# KiCad board maslab.kicad_pcb (continued)
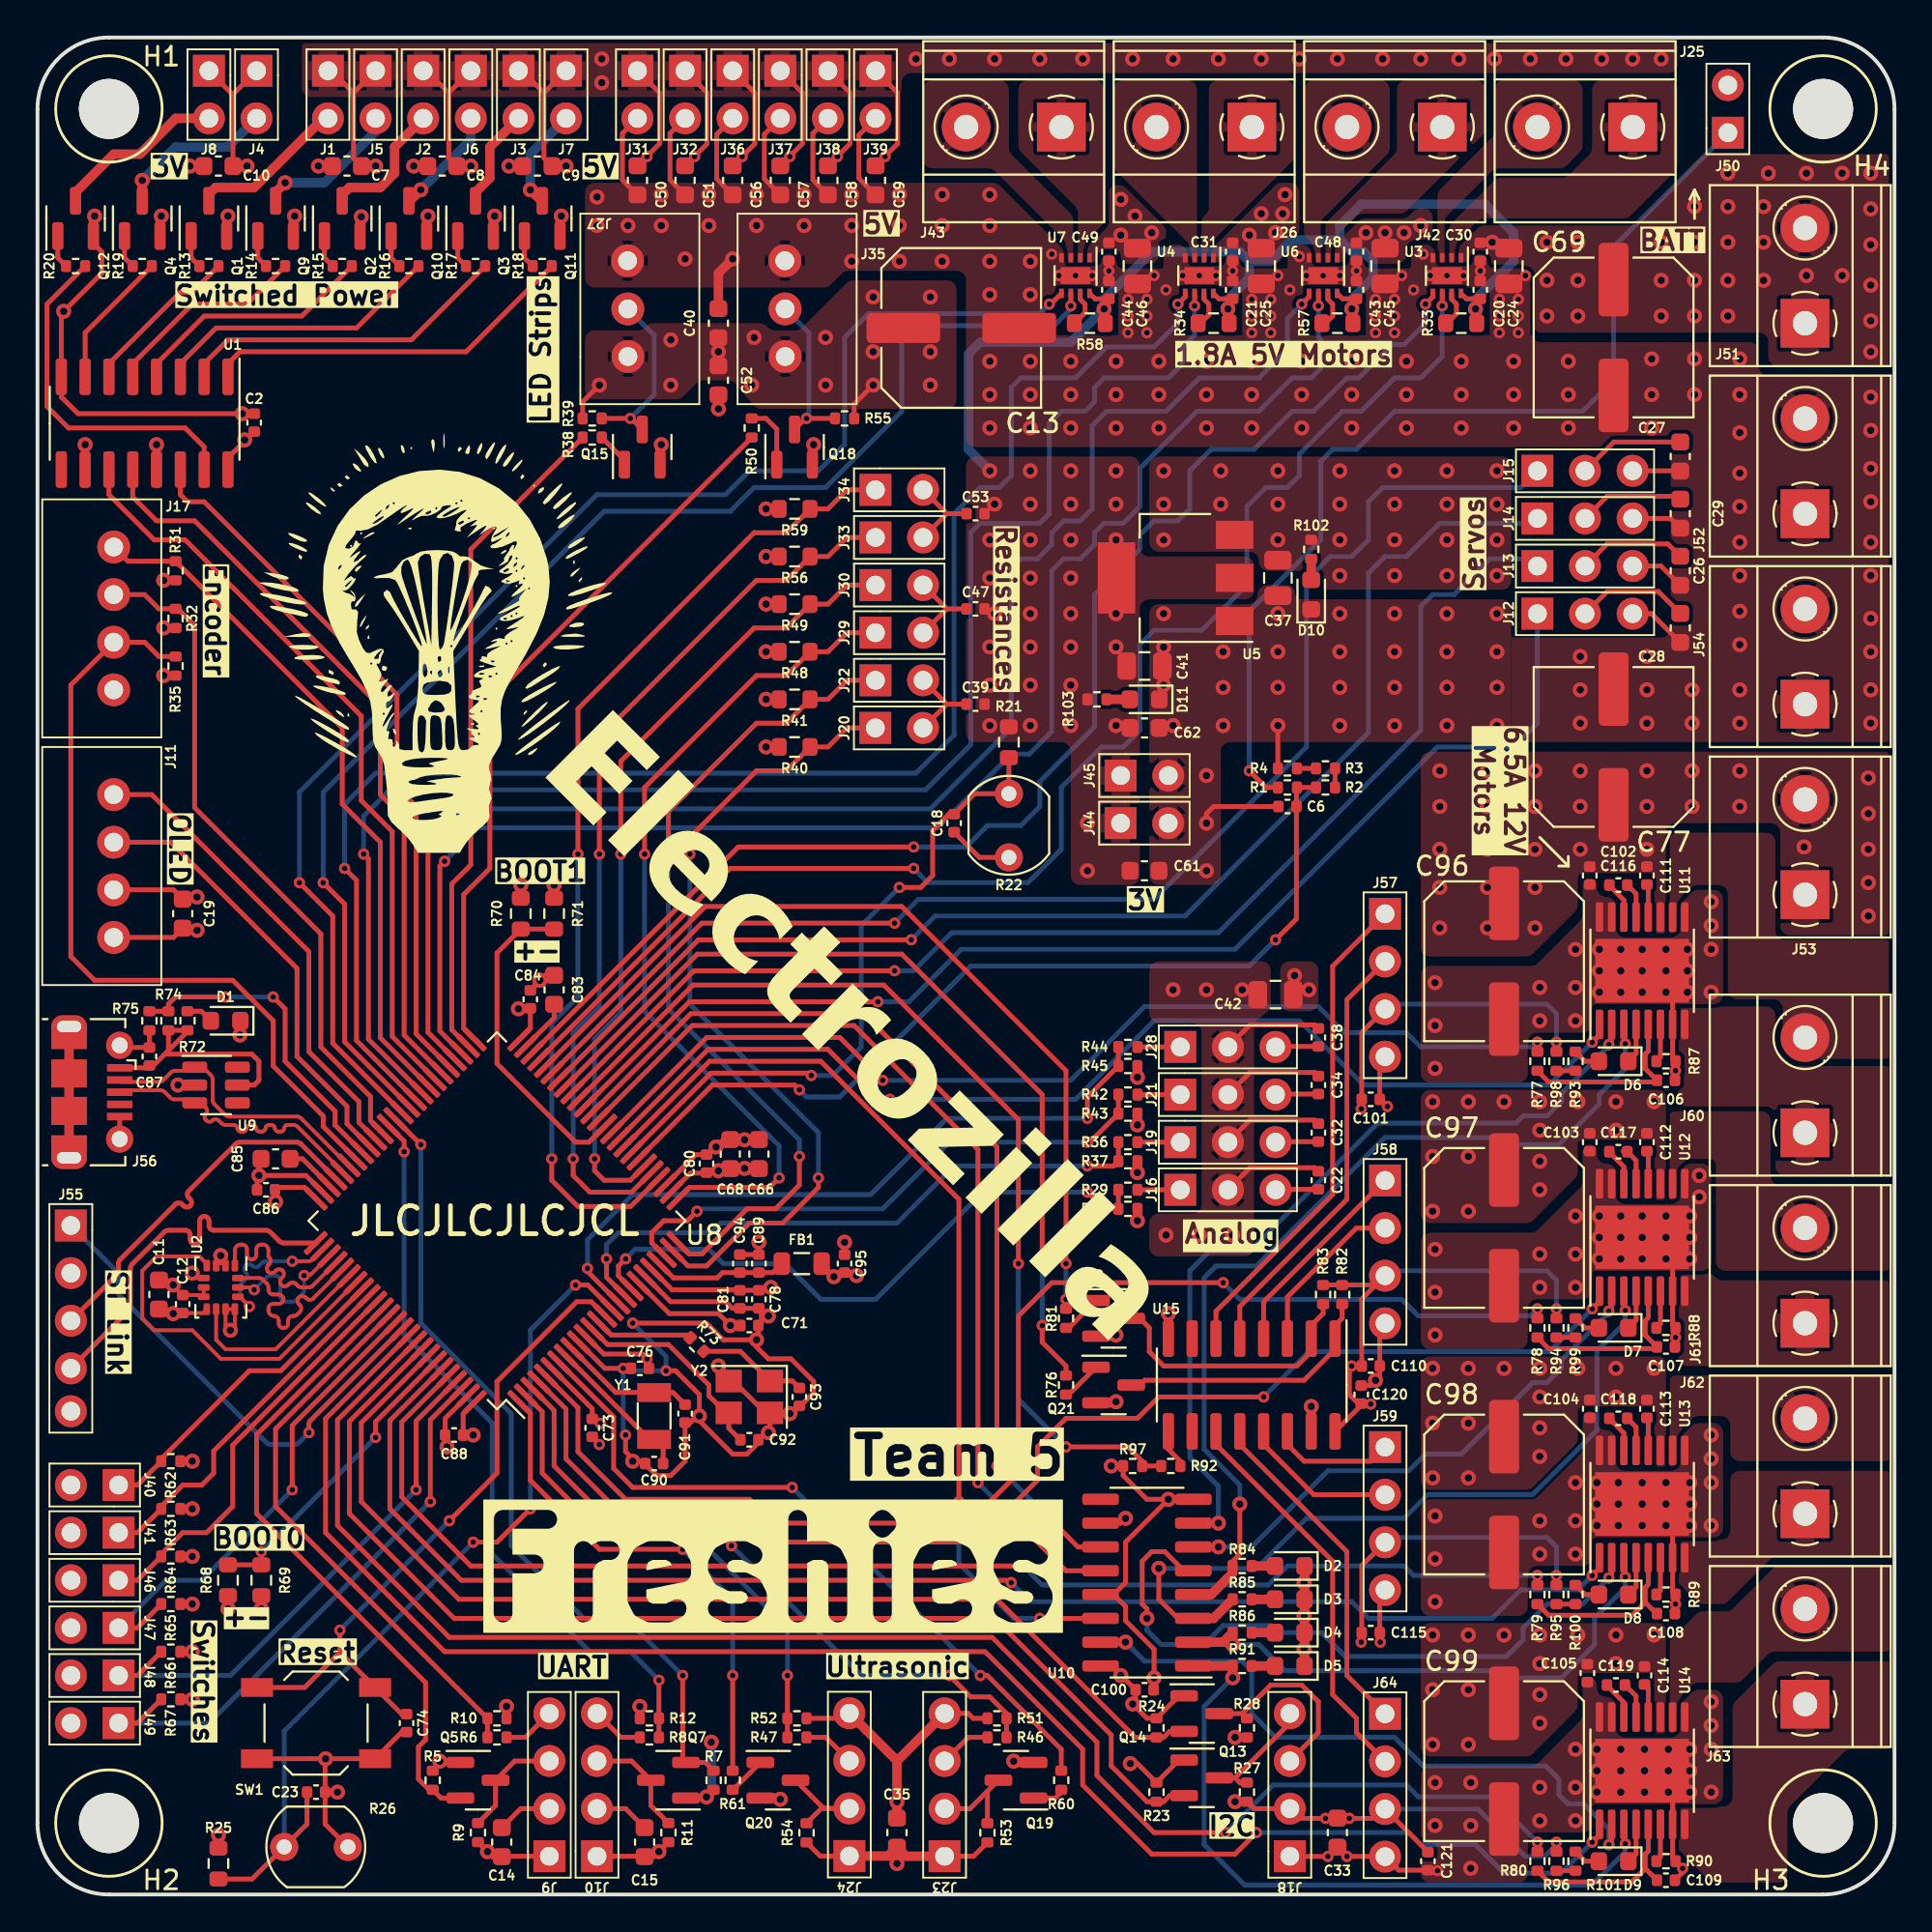
[diagram p0: board, top side]
## Library data of the parts
C2 C6-C15 C18-C35 C37-C53 C56-C59 C61 C62 C66 C68 C69 C71 C73 C74 C76-C78 C80 C81 C83-C98 C100-C104 C106-C121 = -: Description: Unpolarized capacitor
C99 = -: Description: Unpolarized capacitor; LCSC: C178539
C105 = -: Description: Unpolarized capacitor; LCSC: C307331
D1-D11 = -: Description: Light emitting diode
FB1 = -: Description: Ferrite bead
H1-H4 = -: Description: Mounting Hole without connection
J1-J8 J20 J22 J29-J34 J36-J41 J44-J50 = -: Description: Generic connector, single row, 01x02, script generated
J9-J11 J17 J18 J23 J24 J57-J59 J64 = -: Description: Generic connector, single row, 01x04, script generated
J12-J16 J19 J21 J27 J28 J35 = -: Description: Generic connector, single row, 01x03, script generated
J25 J26 J42 J43 J51-J54 J60-J63 = -: Description: Generic screw terminal, single row, 01x02, script generated (kicad-library-utils/schlib/autogen/connector/)
J55 = -: Description: Generic connector, single row, 01x05, script generated
J56 = -: Description: USB Micro Type B connector
Q1-Q5 Q7 Q9-Q15 Q18-Q22 = -: Description: 30V Vds, 5.7A Id, N-Channel MOSFET, SOT-23
R1-R21 R23-R25 R27-R103 = -: Description: Resistor
R22 R26 = -: Description: Photoresistor
SW1 = -: Description: Push button switch, generic, two pins
U1 U10 = -: Description: 8-bit serial in/out Shift Register 3-State Outputs
U2 = -: Description: 6-Axis MEMS IMU
U3 U4 U6 U7 = -: Description: H-Bridge driver, 1.8A, Low Voltage, PWM input, WSON-8
U5 = -: Description: 1A Low Dropout regulator, positive, 3.3V fixed output, SOT-223
U8 = -: Description: STMicroelectronics Arm Cortex-M4 MCU, 512KB flash, 192KB RAM, 168 MHz, 1.8-3.6V, 82 GPIO, LQFP100
U9 = -: Description: ESD Protection Diodes with Low Clamping Voltage, SOT-23-6
U11-U14 = -: Description: H-Bridge Motor Driver
U15 = -: Description: Shift Register, 8-bit, Parallel Load; LCSC: C5613
Y1 = -: Description: Two pin crystal
Y2 = -: Description: Four pin crystal, GND on pins 2 and 4

## Footprints (pads in the part's own frame, mm; a bottom-side part is the same pattern mirrored in y, then rotated)
C_0402_1005Metric
  rrect 0.56x0.62 smd: 1(-0.48,0) 2(0.48,0)
C_0603_1608Metric
  rrect 0.9x0.95 smd: 1(-0.775,0) 2(0.775,0)
C_0805_2012Metric
  rrect 1x1.45 smd: 1(-0.95,0) 2(0.95,0)
C_Elec_8x6.2
  rrect 3.925x1.6 smd: 1(-3.087,0) 2(3.087,0)
Conn_Header_P2-2.54
  rect 1.7x1.7 hole 1: 1(0,0)
  oval 1.7x1.7 hole 1: 2(0,-2.54)
Conn_Header_P3-2.54
  rect 1.7x1.7 hole 1: 1(0,0)
  oval 1.7x1.7 hole 1: 2(0,-2.54) 3(0,-5.08)
Conn_Header_P4-2.54
  rect 1.7x1.7 hole 1: 1(0,0)
  oval 1.7x1.7 hole 1: 2(0,-2.54) 3(0,-5.08) 4(0,-7.62)
Conn_Header_P5-2.54
  rect 1.7x1.7 hole 1: 1(0,0)
  oval 1.7x1.7 hole 1: 2(0,-2.54) 3(0,-5.08) 4(0,-7.62) 5(0,-9.906)
Conn_JST_P3-2.54
  round 1.75 hole 1: 1(-2.54,0) 2(0,0.006) 3(2.57,0.021)
Conn_JST_P4-2.54mm
  round 1.75 hole 1: 1(-3.81,0) 2(-1.27,0) 3(1.27,0) 4(3.81,0)
Conn_Screw_P2-5.08
  rect 2.6x2.6 hole 1.3: 1(0,0)
  round 2.6 hole 1.3: 2(5.08,0)
Crystal_SMD_3215-2Pin_3.2x1.5mm
  rect 1x1.8 smd: 1(1.25,0) 2(-1.25,0)
Crystal_SMD_3225-4Pin_3.2x2.5mm
  rect 1.4x1.2 smd: 1(-1.1,-0.85) 2(1.1,-0.85) 3(1.1,0.85) 4(-1.1,0.85)
HTSSOP-16-1EP_4.4x5mm_P0.65mm_EP3.4x5mm_Mask2.46x2.31mm
  rrect 1.98x0.93 smd: (0,0.58) (0,-0.58)
  rect 2.46x2.31 smd: (0,0)
  rrect 1.575x0.4 smd: 1(-2.862,2.275) 2(-2.862,1.625) 3(-2.862,0.975) 4(-2.862,0.325) 5(-2.862,-0.325) 6(-2.862,-0.975) 7(-2.862,-1.625) 8(-2.862,-2.275) 9(2.862,-2.275) 10(2.862,-1.625) 11(2.862,-0.975) 12(2.862,-0.325) 13(2.862,0.325) 14(2.862,0.975) 15(2.862,1.625) 16(2.862,2.275)
  rect 3.4x5 smd: 17(0,0)
L_0805_2012Metric
  rrect 0.875x1.2 smd: 1(-1.062,0) 2(1.062,0)
LED_0603_1608Metric
  rrect 0.875x0.95 smd: 1(-0.787,0) 2(0.787,0)
LGA-14_3x2.5mm_P0.5mm_LayoutBorder3x4y
  rrect 0.625x0.35 smd: 1(-1.163,0.75) 2(-1.163,0.25) 3(-1.163,-0.25) 4(-1.163,-0.75) 8(1.163,-0.75) 9(1.163,-0.25) 10(1.163,0.25) 11(1.163,0.75)
  rrect 0.35x0.625 smd: 5(-0.5,-0.912) 6(0,-0.912) 7(0.5,-0.912) 12(0.5,0.912) 13(0,0.912) 14(-0.5,0.912)
LQFP-100_14x14mm_P0.5mm
  rrect 1.6x0.3 smd: 1(-7.675,6) 2(-7.675,5.5) 3(-7.675,5) 4(-7.675,4.5) 5(-7.675,4) 6(-7.675,3.5) 7(-7.675,3) 8(-7.675,2.5) 9(-7.675,2) 10(-7.675,1.5) 11(-7.675,1) 12(-7.675,0.5) 13(-7.675,0) 14(-7.675,-0.5) 15(-7.675,-1) 16(-7.675,-1.5) 17(-7.675,-2) 18(-7.675,-2.5) 19(-7.675,-3) 20(-7.675,-3.5) 21(-7.675,-4) 22(-7.675,-4.5) 23(-7.675,-5) 24(-7.675,-5.5) 25(-7.675,-6) 51(7.675,-6) 52(7.675,-5.5) 53(7.675,-5) 54(7.675,-4.5) 55(7.675,-4) 56(7.675,-3.5) 57(7.675,-3) 58(7.675,-2.5) 59(7.675,-2) 60(7.675,-1.5) 61(7.675,-1) 62(7.675,-0.5) 63(7.675,0) 64(7.675,0.5) 65(7.675,1) 66(7.675,1.5) 67(7.675,2) 68(7.675,2.5) 69(7.675,3) 70(7.675,3.5) 71(7.675,4) 72(7.675,4.5) 73(7.675,5) 74(7.675,5.5) 75(7.675,6)
  rrect 0.3x1.6 smd: 26(-6,-7.675) 27(-5.5,-7.675) 28(-5,-7.675) 29(-4.5,-7.675) 30(-4,-7.675) 31(-3.5,-7.675) 32(-3,-7.675) 33(-2.5,-7.675) 34(-2,-7.675) 35(-1.5,-7.675) 36(-1,-7.675) 37(-0.5,-7.675) 38(0,-7.675) 39(0.5,-7.675) 40(1,-7.675) 41(1.5,-7.675) 42(2,-7.675) 43(2.5,-7.675) 44(3,-7.675) 45(3.5,-7.675) 46(4,-7.675) 47(4.5,-7.675) 48(5,-7.675) 49(5.5,-7.675) 50(6,-7.675) 76(6,7.675) 77(5.5,7.675) 78(5,7.675) 79(4.5,7.675) 80(4,7.675) 81(3.5,7.675) 82(3,7.675) 83(2.5,7.675) 84(2,7.675) 85(1.5,7.675) 86(1,7.675) 87(0.5,7.675) 88(0,7.675) 89(-0.5,7.675) 90(-1,7.675) 91(-1.5,7.675) 92(-2,7.675) 93(-2.5,7.675) 94(-3,7.675) 95(-3.5,7.675) 96(-4,7.675) 97(-4.5,7.675) 98(-5,7.675) 99(-5.5,7.675) 100(-6,7.675)
MountingHole_3.2mm_M3
  round 3.2 hole 3.2 unplated: (0,0)
R_0402_1005Metric
  rrect 0.54x0.64 smd: 1(-0.51,0) 2(0.51,0)
R_0603_1608Metric
  rrect 0.8x0.95 smd: 1(-0.825,0) 2(0.825,0)
R_LDR_5.1x4.3mm_P3.4mm_Vertical
  round 1.5 hole 0.8: 1(0,0) 2(3.4,0)
SOIC-16_3.9x9.9mm_P1.27mm
  rrect 1.95x0.6 smd: 1(-2.475,4.445) 2(-2.475,3.175) 3(-2.475,1.905) 4(-2.475,0.635) 5(-2.475,-0.635) 6(-2.475,-1.905) 7(-2.475,-3.175) 8(-2.475,-4.445) 9(2.475,-4.445) 10(2.475,-3.175) 11(2.475,-1.905) 12(2.475,-0.635) 13(2.475,0.635) 14(2.475,1.905) 15(2.475,3.175) 16(2.475,4.445)
SOT-23
  rrect 1.475x0.6 smd: 1(-0.938,0.95) 2(-0.938,-0.95) 3(0.938,0)
SOT-23-6
  rrect 1.325x0.6 smd: 1(-1.137,0.95) 2(-1.137,0) 3(-1.137,-0.95) 4(1.137,-0.95) 5(1.137,0) 6(1.137,0.95)
SOT-223-3_TabPin2
  rect 2x1.5 smd: 1(-3.15,2.3) 2(-3.15,0) 3(-3.15,-2.3)
  rect 2x3.8 smd: 2(3.15,0)
SW_SPST_TL3342
  rect 1.7x1 smd: 1(-3.15,1.9) 1(3.15,1.9) 2(-3.15,-1.9) 2(3.15,-1.9)
USB_Micro-B_Molex-105017-0001
  rect 0.4x1.35 smd: 1(-1.3,1.462) 2(-0.65,1.462) 3(0,1.462) 4(0.65,1.462) 5(1.3,1.462)
  oval 1.2x1.9 hole 0.6x1.3: 6(-3.5,-1.238) 6(3.5,-1.238)
  rect 1.2x1.9 smd: 6(-2.9,-1.238) 6(2.9,-1.238)
  round 1.45 hole 0.85: 6(-2.5,1.462) 6(2.5,1.462)
  rect 1.5x1.9 smd: 6(-1,-1.238) 6(1,-1.238)
WSON-8-1EP_2x2mm_P0.5mm_EP0.9x1.6mm
  rect 0.75x0.65 smd: (0,0.4) (0,-0.4)
  rect 0.5x0.25 smd: 1(-0.95,0.75) 2(-0.95,0.25) 3(-0.95,-0.25) 4(-0.95,-0.75) 5(0.95,-0.75) 6(0.95,-0.25) 7(0.95,0.25) 8(0.95,0.75)
  rect 0.9x1.6 smd: 9(0,0)

## Nets
+3.3V: C2.1 C10.1 C11.1 C12.1 C19.1 C20.1 C21.1 C39.1 C41.1 C43.1 C44.1 C47.1 C53.1 C61.1 C62.1 C66.1 C68.1 C71.1 C73.1 C76.1 C78.1 C80.1 C81.1 C84.1 C86.1 C88.1 C95.1 C100.1 FB1.2 J4.1 J8.1 J11.3 J44.1 J45.1 J55.2 Q5.1 Q7.1 Q13.1 Q14.1 R5.1 R7.1 R21.1 R23.1 R24.1 R25.1 R31.1 R32.1 R33.1 R34.1 R35.1 R40.1 R41.1 R48.1 R49.1 R56.1 R57.1 R58.1 R59.1 R62.1 R63.1 R64.1 R65.1 R66.1 R67.1 R68.1 R70.1 R103.1 U1.10 U1.16 U2.5 U2.8 U3.8 U4.8 U5.2 U6.8 U7.8 U8.6 U8.11 U8.19 U8.21 U8.28 U8.50 U8.75 U8.100 U10.10 U10.16
+3.3VA: C89.1 C94.1 FB1.1 U8.22
+5V: C7.1 C8.1 C9.1 C13.1 C14.1 C15.1 C22.1 C24.1 C25.1 C26.1 C27.1 C28.1 C29.1 C30.1 C31.1 C32.1 C33.1 C34.1 C35.1 C37.1 C38.1 C40.1 C42.1 C45.1 C46.1 C48.1 C49.1 C50.1 C51.1 C52.1 C56.1 C57.1 C58.1 C59.1 C69.1 C101.1 C110.1 C115.1 C120.1 C121.1 J1.1 J2.1 J3.1 J5.1 J6.1 J7.1 J9.1 J10.1 J12.2 J13.2 J14.2 J15.2 J16.2 J18.2 J19.2 J21.2 J23.1 J24.1 J27.1 J28.2 J31.1 J32.1 J35.1 J36.1 J37.1 J38.1 J39.1 J51.1 J51.2 J57.3 J58.3 J59.3 J64.3 R9.1 R11.1 R27.1 R28.1 R39.1 R53.2 R54.2 R55.1 R82.1 R83.1 R94.2 R95.2 R96.2 R98.2 R102.1 U3.1 U4.1 U5.3 U6.1 U7.1 U15.16
+12V: C77.1 C96.1 C97.1 C98.1 C99.1 C102.1 C103.1 C104.1 C105.1 C111.1 C112.1 C113.1 C114.1 J53.1 J53.2 U11.11 U12.11 U13.11 U14.11
/3VLED: D11.2 R103.2
/5VLED: D10.2 R102.2
GND: C2.2 C6.2 C7.2 C8.2 C9.2 C10.2 C11.2 C12.2 C13.2 C14.2 C15.2 C18.2 C19.2 C20.2 C21.2 C22.2 C23.2 C24.2 C25.2 C26.2 C27.2 C28.2 C29.2 C30.2 C31.2 C32.2 C33.2 C34.2 C35.2 C37.2 C38.2 C39.2 C40.2 C41.2 C42.2 C43.2 C44.2 C45.2 C46.2 C47.2 C48.2 C49.2 C50.2 C51.2 C52.2 C53.2 C56.2 C57.2 C58.2 C59.2 C61.2 C62.2 C66.2 C68.2 C69.2 C71.2 C73.2 C74.2 C76.2 C77.2 C78.2 C80.2 C81.2 C83.2 C84.2 C85.2 C86.2 C87.2 C88.2 C89.2 C90.1 C91.1 C92.1 C93.1 C94.2 C95.2 C96.2 C97.2 C98.2 C99.2 C100.2 C101.2 C102.2 C103.2 C104.2 C105.2 C106.2 C107.2 C108.2 C109.2 C110.2 C115.2 C120.2 C121.2 D1.1 D2.1 D3.1 D4.1 D5.1 D10.1 D11.1 J9.2 J10.2 J11.4 J12.3 J13.3 J14.3 J15.3 J16.3 J17.4 J18.1 J19.3 J20.2 J21.3 J22.2 J23.4 J24.4 J27.3 J28.3 J29.2 J30.2 J31.2 J32.2 J33.2 J34.2 J35.3 J36.2 J37.2 J38.2 J39.2 J40.2 J41.2 J44.2 J45.2 J46.2 J47.2 J48.2 J49.2 J50.2 J52.1 J52.2 J54.1 J54.2 J55.5 J56.5 J56.6 J57.4 J58.4 J59.4 J64.4 Q1.2 Q2.2 Q3.2 Q4.2 Q9.2 Q10.2 Q11.2 Q12.2 Q15.2 Q18.2 Q19.2 Q20.2 Q21.2 Q22.2 R4.2 R10.1 R12.1 R22.2 R26.2 R30.2 R37.2 R43.2 R45.2 R51.1 R52.1 R69.2 R71.2 R75.2 R87.2 R88.2 R89.2 R90.2 R97.2 SW1.2 U1.8 U1.13 U2.2 U2.3 U2.6 U2.7 U2.10 U2.11 U3.4 U3.9 U4.4 U4.9 U5.1 U6.4 U6.9 U7.4 U7.9 U8.10 U8.20 U8.27 U8.74 U8.99 U9.2 U10.8 U10.13 U11.7 U11.9 U11.15 U11.16 U11.17 U12.7 U12.9 U12.15 U12.16 U12.17 U13.7 U13.9 U13.15 U13.16 U13.17 U14.7 U14.9 U14.15 U14.16 U14.17 U15.8 U15.15 Y2.2 Y2.4
VBUS: C87.1 J56.1 R72.1 R74.1 U9.5
+BATT: J50.1 R1.1
/A1HDR: J16.1 R29.1
/A2HDR: J19.1 R36.1
/A3HDR: J21.1 R42.1
/A4HDR: J28.1 R44.1
/AIN1: R29.2 R30.1 U8.18
/AIN2: R36.2 R37.1 U8.17
/AIN3: R42.2 R43.1 U8.23
/AIN4: R44.2 R45.1 U8.16
/AMB1: C18.1 R21.2 R22.1 U8.33
/AMB2: C23.1 R25.2 R26.1 U8.15
/BOOT0: R68.2 R69.1 U8.94
/BOOT1: R70.2 R71.1 U8.37
/BREF: C6.1 R1.2 R2.1 U8.32
/BRR1: R2.2 R3.1
/BRR2: R3.2 R4.1
/DRE1: J17.1 R31.2 U8.58
/DRE2: J17.2 R32.2 U8.65
/DRESW: J17.3 R35.2 U8.69
/ECHO1: R46.1 R51.2 U8.3
/ECHO2: R47.1 R52.2 U8.2
/ENCCLK: Q22.3 R83.2 U15.2
/ENCLK: R81.1 U8.46
/ENLCLK: Q22.1 R81.2
/ENPL: R76.1 U8.43
/ENPLC: Q21.3 R82.2 U15.1
/ENPLL: Q21.1 R76.2
/ENSO: R92.1 R97.1 U8.41
/ENSOC: R92.2 U15.9
/GCS: U2.12 U8.77
/GINT1: U2.4 U8.82
/GINT2: U2.9 U8.81
/GSCLK: U2.13 U8.78
/GSDI: U2.14 U8.80
/GSDO: U2.1 U8.79
/LMCLK: U8.39 U10.11
/LMDAT: U8.34 U10.14
/LMSV: U8.38 U10.12
/M1CPH: C116.2 U11.13
/M1CPL: C116.1 U11.14
/M1CREF: R77.1 U8.36
/M1EN: U8.35 U11.1
/M1ENA: J57.2 U15.5
/M1ENB: J57.1 U15.6
/M1FLED: D6.2 R93.2
/M1IROPI: R87.1 U11.6
/M1nFLT: D6.1 U11.4
/M1nSLP: R84.1 U10.4 U11.3
/M1OUT1: J60.1 U11.8
/M1OUT2: J60.2 U11.10
/M1PH: U10.7 U11.2
/M1SLED: R93.1 R98.1
/M1SPLD: D2.2 R84.2
/M1VCP: C111.2 U11.12
/M1VREF: C106.1 R77.2 U11.5
/M2CPH: C117.2 U12.13
/M2CPL: C117.1 U12.14
/M2CREF: R78.1 U8.5
/M2EN: U8.4 U12.1
/M2ENA: J58.2 U15.3
/M2ENB: J58.1 U15.4
/M2FLED: D7.2 R99.2
/M2IROPI: R88.1 U12.6
/M2nFLT: D7.1 U12.4
/M2nSLP: R85.1 U10.3 U12.3
/M2OUT1: J61.1 U12.8
/M2OUT2: J61.2 U12.10
/M2PH: U10.6 U12.2
/M2SLED: R94.1 R99.1
/M2SPLD: D3.2 R85.2
/M2VCP: C112.2 U12.12
/M2VREF: C107.1 R78.2 U12.5
/M3CPH: C118.2 U13.13
/M3CPL: C118.1 U13.14
/M3CREF: R79.1 U8.96
/M3EN: U8.95 U13.1
/M3ENA: J59.2 U15.13
/M3ENB: J59.1 U15.14
/M3FLED: D8.2 R100.2
/M3IROPI: R89.1 U13.6
/M3nFLT: D8.1 U13.4
/M3nSLP: R86.1 U10.2 U13.3
/M3OUT1: J62.1 U13.8
/M3OUT2: J62.2 U13.10
/M3PH: U10.5 U13.2
/M3SLED: R95.1 R100.1
/M3SPLD: D4.2 R86.2
/M3VCP: C113.2 U13.12
/M3VREF: C108.1 R79.2 U13.5
/M4CPH: C119.2 U14.13
/M4CPL: C119.1 U14.14
/M4CREF: R80.1 U8.91
/M4EN: U8.90 U14.1
/M4ENA: J64.2 U15.11
/M4ENB: J64.1 U15.12
/M4FLED: D9.2 R101.2
/M4IROPI: R90.1 U14.6
/M4nFLT: D9.1 U14.4
/M4nSLP: R91.1 U10.1 U14.3
/M4OUT1: J63.1 U14.8
/M4OUT2: J63.2 U14.10
/M4PH: U10.15 U14.2
/M4SLED: R96.1 R101.1
/M4SPLD: D5.2 R91.2
/M4VCP: C114.2 U14.12
/M4VREF: C109.1 R80.2 U14.5
/M5IN1: U3.6 U8.47
/M5IN2: U3.5 U8.48
/M5nSLP: R33.2 U3.7
/M5OUT1: J25.1 U3.2
/M5OUT2: J25.2 U3.3
/M6IN1: U6.6 U8.53
/M6IN2: U6.5 U8.54
/M6nSLP: R57.2 U6.7
/M6OUT1: J42.1 U6.2
/M6OUT2: J42.2 U6.3
/M7IN1: U4.6 U8.59
/M7IN2: U4.5 U8.60
/M7nSLP: R34.2 U4.7
/M7OUT1: J26.1 U4.2
/M7OUT2: J26.2 U4.3
/M8IN1: U7.6 U8.61
/M8IN2: U7.5 U8.62
/M8nSLP: R58.2 U7.7
/M8OUT1: J43.1 U7.2
/M8OUT2: J43.2 U7.3
/NRST: C74.1 SW1.1 U8.14
/OSC32IN: C90.2 U8.8 Y1.2
/OSC32OUT: C91.2 U8.9 Y1.1
/OSCIN: C92.2 U8.12 Y2.3
/OSCLO: C93.2 R73.1 Y2.1
/OSCOUT: R73.2 U8.13
/QA: R13.1 U1.6
/QB: R14.1 U1.5
/QC: R15.1 U1.4
/QD: R16.1 U1.3
/QE: R17.1 U1.2
/QF: R18.1 U1.1
/QG: R19.1 U1.7
/QH: R20.1 U1.15
/RMSR1: J20.1 R40.2 U8.24
/RMSR2: J22.1 R41.2 U8.25
/RMSR3: J29.1 R48.2 U8.26
/RMSR4: J30.1 R49.2 U8.31
/RMSR5: J33.1 R56.2 U8.30
/RMSR6: J34.1 R59.2 U8.29
/RMSR7: J40.1 R62.2 U8.83
/RMSR8: J41.1 R63.2 U8.84
/RMSR9: J46.1 R64.2 U8.85
/RMSR10: J47.1 R65.2 U8.88
/RMSR11: J48.1 R66.2 U8.97
/RMSR12: J49.1 R67.2 U8.98
/RX1: R6.2 R10.2 U8.87
/RX1HDR: J9.4 R6.1
/RX2: R8.2 R12.2 U8.64
/RX2HDR: J10.4 R8.1
/SCL1: Q13.2 R23.2 U8.92
/SCL1HDR: J18.4 Q13.3 R27.2
/SCL2: J11.2 U8.67
/SDA1: Q14.2 R24.2 U8.93
/SDA1HDR: J18.3 Q14.3 R28.2
/SDA2: J11.1 U8.66
/SNSBUS: R74.2 R75.1 U8.68
/SRCLK: U1.11 U8.57
/SRDAT: U1.14 U8.55
/SRPDT1: R38.1 U8.52
/SRPDT2: R50.1 U8.51
/SRPM1: Q15.1 R38.2
/SRPM2: Q18.1 R50.2
/SRPP1: J27.2 Q15.3 R39.2
/SRPP2: J35.2 Q18.3 R55.2
/SRSV: U1.12 U8.56
/SRV1: J12.1 U8.40
/SRV2: J13.1 U8.42
/SRV3: J14.1 U8.44
/SRV4: J15.1 U8.45
/SWCLK: J55.4 U8.76
/SWDIO: J55.3 U8.72
/SWO: J55.1 U8.89
/SWPA: Q1.1 R13.2
/SWPB: Q9.1 R14.2
/SWPC: Q2.1 R15.2
/SWPD: Q10.1 R16.2
/SWPE: Q3.1 R17.2
/SWPF: Q11.1 R18.2
/SWPG: Q4.1 R19.2
/SWPH: Q12.1 R20.2
/TRIG1: R60.2 U8.7
/TRIG2: R61.2 U8.1
/TX1: Q5.2 R5.2 U8.86
/TX1HDR: J9.3 Q5.3 R9.2
/TX2: Q7.2 R7.2 U8.63
/TX2HDR: J10.3 Q7.3 R11.2
/USB_D+: J56.3 U8.71 U9.3
/USB_D-: J56.2 U8.70 U9.1
/UTE1: J23.3 R46.2
/UTE2: J24.3 R47.2
/UTT1: J23.2 Q19.3 R53.1
/UTT2: J24.2 Q20.3 R54.1
/UTTL1: Q19.1 R60.1
/UTTL2: Q20.1 R61.1
/VBLED: D1.2 R72.2
/VCAP1: C83.1 U8.49
/VCAP2: C85.1 U8.73
Net-(J1-Pin_2): J1.2 Q1.3
Net-(J2-Pin_2): J2.2 Q2.3
Net-(J3-Pin_2): J3.2 Q3.3
Net-(J4-Pin_2): J4.2 Q4.3
Net-(J5-Pin_2): J5.2 Q9.3
Net-(J6-Pin_2): J6.2 Q10.3
Net-(J7-Pin_2): J7.2 Q11.3
Net-(J8-Pin_2): J8.2 Q12.3

Pads without a net: J56 4; U1 9; U9 4 6; U10 9; U15 7 10

## Via types
v1: diameter 0.8, hole 0.4, Top to Bottom, 587 vias
v2: diameter 0.6, hole 0.3, Top to Bottom, 194 vias

## Routing (per net, layer and track width the routed paths; a pad name or vN(x,y) marks a point on that pad's centre or on a via; arc(x,y) is an arc through that point)
+3.3V: length 153.7
  Top w0.2: U2.5 8.52,32.88 v1(8.25,33.15) ; C11.1 6.69,31.02 7.21,31.02 v1(7.24,30.99) 7.27,31.02 C12.1 8.82,31.02 U2.8
  Top w0.254: v2(30.02,25.13) 29.79,25.37 C73.1 29.59,25.91 U8.6 ; v1(58.29,6.98) 58.68,6.98 59.69,5.97 60.89,7.17 61.17,7.17 60.98,6.98 ; R70.1 v1(25.78,53.85) ; v1(43.69,33.02) 43.53,33.17 C95.1 42.7,33.17 v1(42.48,32.96) 41.83,33.61 FB1.2 ; 10.03,15.94 10.03,15.24 ; v1(39.12,32.38) 38.96,32.23 C78.1 C81.1 37.44,32.26 33.85,32.26 U8.21 ; J8.1 10.4,96.03 10.43,96.03 ; C76.1 32.61,28.48 v2(32.51,28.57) 32.26,28.83 30.21,28.83 U8.11 ; v1(23.24,24.51) C88.1 22.7,25.65 U8.100 ; v1(6.73,67.56) 6.73,67.56 R32.1 ; R67.1 v1(8.25,10.41) ; Q14.1 60.89,10.6 R24.1 59.18,9.4 v1(58.42,10.16) 58.57,10.31 58.57,10.92 57.81,11.68 v1(57.78,11.68) 57.78,11.71 57.31,12.19 U10.16 ; Q7.1 35.63,5.15 35.69,5.2 v1(35.69,5.21) 35.69,5.21 R7.1 ; C2.1 11.12,77.6 v1(11.05,77.6) 11.05,77.53 10.16,76.64 U1.16 ; U8.28 35.11,39.47 C80.1 35.79,39.47 v1(36.19,39.88) 36.59,40.27 C68.1 37.71,40.27 v1(37.72,40.26) 37.73,40.27 C66.1 ; R35.1 6.73,65.02 v1(6.73,65.02) ; U3.8 76.23,85.12 C20.1 76.77,84.93 76.77,84.64 v1(76.71,84.58) 76.77,84.52 R33.1 ; R31.1 6.73,70.1 v1(6.73,70.1) ; v1(12.7,36.96) 12.67,36.98 C86.1 12.8,37.72 14.25,37.72 U8.75 ; v1(25.65,47.24) 25.68,47.27 C84.1 26.29,46.2 U8.50 ; R5.1 21.4,6.92 21.4,7.05 v1(21.46,7.11) 21.53,7.05 Q5.1 ; J11.3 7.25,53.59 7.75,53.1 8.39,53.1 v1(8.51,53.21) ; R34.1 63.56,84.52 v1(63.5,84.58) 63.56,84.64 63.56,84.93 C21.1 63.02,85.12 U4.8 ; 10.43,96.03 J4.1 ; 10.43,96.03 C10.1 ; R62.1 v1(8.25,23.11) ; U10.10 57.78,19.81 v1(58.04,20.07) ; U8.19 33.71,30.99 36.32,30.99 v1(36.96,30.35) C71.1 ; R57.1 70.17,84.52 v1(70.1,84.58) 70.17,84.64 70.17,84.93 C43.1 69.62,85.12 U6.8 ; R64.1 v1(8.25,18.03) ; R25.1 v1(9.65,3.17) ; R65.1 v1(8.25,15.49) ; R63.1 v1(8.25,20.57) ; R66.1 v1(8.25,12.95) ; R58.1 56.96,84.52 v1(56.9,84.58) 56.96,84.64 56.96,84.93 C44.1 56.41,85.12 U7.8 ; U1.10 v1(2.54,77.34)
  Top w0.316: R59.1 v1(38.86,73.91) ; R40.1 v1(38.86,61.21) ; R48.1 v1(38.86,66.29) ; R56.1 v1(38.86,71.37) ; R49.1 v1(38.86,68.83) ; R41.1 v1(38.86,63.75)
  Top w0.5: C10.1 v1(11.18,92.2)
  Bottom w0.5: 64.64,87 64.77,87.12 65.79,87.12 66.93,88.26 69.47,88.26 ; 64.64,87 64.64,86.23 63.5,85.09 v1(63.5,84.58) ; 64.64,87 64.64,87.12 64.13,87.63 59.44,87.63 56.9,85.09 v1(56.9,84.58) 55.12,82.8 50.29,82.8 49.66,82.17 49.66,77.09 v1(50.8,75.95) ; 69.47,88.26 70.1,87.63 70.74,87.63 71.25,87.12 71.25,86.23 70.1,85.09 v1(70.1,84.58) ; 69.47,88.26 69.47,89.03 70.61,90.17 77.22,90.17 78.74,88.65 78.74,87.12 76.71,85.09 v1(76.71,84.58) ; v1(35.94,8.13) 35.94,5.46 v1(35.69,5.21)
  vias: v1(10.16,15.24) v1(50.8,72.26) v1(50.8,70.23) v1(50.8,66.55) v1(50.8,64.52) v1(50.8,62.36) v1(51.05,74.17) v1(51.05,68.33) v1(52.96,75.95) v1(52.96,74.17) v1(52.96,72.26) v1(52.96,70.23) v1(52.96,68.33) v1(52.96,66.55) v1(52.96,64.52) v1(52.96,62.36) v1(55.12,75.95) v1(55.12,74.17) v1(55.12,72.26) v1(55.12,70.23) v1(55.12,68.33) v1(55.12,66.55) v1(55.12,64.52) v1(55.12,62.36) v1(56.01,57.15) v1(56.01,54.61) v1(57.53,75.95) v1(57.53,74.17) v1(57.53,72.26) v1(57.53,68.33) v1(57.53,66.55) v1(57.53,62.36)
+3.3VA: length 7.2
  Top w0.254: FB1.1 39.22,33.17 C89.1 C94.1 36.54,33.17 36.26,32.89 33.92,32.89 U8.22
+5V: length 214.5
  Top w0.25: R98.2 v2(81.03,45.47) ; R95.2 v2(81.03,17.02) ; R94.2 v2(81.03,31.24)
  Top w0.254: R54.2 41.75,2.05 J24.1 ; 16.86,96.11 16.86,92.63 C7.1 ; 16.86,96.11 15.68,97.29 J1.1 ; 16.86,96.11 J5.1 ; J31.1 33.18,96.11 33.18,93.39 32.51,92.72 v2(32.51,92.71) 32.5,92.71 C50.1 ; J16.2 64.68,38.77 68.14,38.77 C22.1 ; J10.1 32.36,2.04 C15.1 32.88,2.02 33.15,2.28 v1(33.15,2.29) 33.15,2.29 R11.1 ; C120.1 71.09,26.19 v2(71.12,26.16) ; C120.1 70.46,26.19 69.97,26.67 69.97,28.06 v2(70.1,28.19) C110.1 70.64,31.77 J58.3 71.39,32.51 R82.1 R83.1 ; C120.1 70.61,26.1 69.22,24.7 ; C58.1 42.66,92.71 v2(42.67,92.71) 42.67,92.72 43.34,93.39 43.34,96.11 J38.1 ; C9.1 27.02,92.63 27.02,96.11 ; J21.2 64.68,43.85 68.14,43.85 C34.1 ; J9.1 24.79,2.04 C14.1 24.27,2.02 24,2.28 v1(24,2.29) R9.1 ; J14.2 83.73,74.58 87.48,74.58 C29.1 ; J59.3 70.64,17.54 C115.1 70.64,13.49 v2(70.61,13.46) ; v2(70.61,41.91) 70.64,41.94 C101.1 70.64,45.99 J57.3 ; J13.2 83.73,72.04 86.97,72.04 C26.1 ; 21.94,96.11 J6.1 ; 21.94,96.11 20.76,97.29 J2.1 ; 21.94,96.11 21.94,92.63 C8.1 ; J37.1 40.8,96.11 40.8,93.39 40.13,92.72 v2(40.13,92.71) 40.12,92.71 C57.1 ; R39.1 29.08,79.63 v1(29.97,80.52) ; J12.2 83.73,69.5 86.47,69.5 C28.1 ; C56.1 37.58,92.71 v2(37.59,92.71) 37.59,92.72 38.26,93.39 38.26,96.11 J36.1 ; v1(63.88,4.95) 63.88,4.95 R27.1 64.88,4.58 J18.2 67.32,4.06 v2(68.71,4.06) 68.72,4.08 C33.1 69.96,4.08 v2(69.98,4.06) 71.38,4.06 J64.3 74.17,2.28 C121.1 ; C32.1 68.14,41.31 64.68,41.31 J19.2 ; R28.1 63.88,8.38 v1(63.88,8.38) ; C38.1 68.14,46.39 64.68,46.39 J28.2 ; C59.1 45.2,92.71 v2(45.21,92.71) 45.21,92.72 45.88,93.39 45.88,96.11 J39.1 ; v1(44.58,80.52) 43.56,79.5 R55.1 ; 27.02,96.11 J7.1 ; 27.02,96.11 25.84,97.29 J3.1 ; C27.1 84.09,77.48 J15.2 ; R96.2 v2(81.03,2.79) ; C51.1 35.04,92.71 v2(35.05,92.71) 35.05,92.72 35.72,93.39 35.72,96.11 J32.1 ; R53.2 49.93,2.04 J23.1
  Top w0.45: C8.1 v1(23.11,92.2)
  Top w0.5: C35.1 46.33,2.04 J23.1 ; C35.1 45.37,2.05 J24.1 ; C35.1 v1(45.85,1.65) ; C7.1 v1(18.03,92.2) ; C9.1 v1(28.19,92.2)
  Bottom w0.25: v2(81.03,31.24) 81.03,32.77 80.52,33.27 72.15,33.27 J58.3 ; v2(81.03,17.02) 81.03,18.54 80.52,19.05 72.15,19.05 J59.3 ; J57.3 72.15,47.5 80.52,47.5 81.03,46.99 v2(81.03,45.47)
  Bottom w0.254: J64.3 76.84,4.56 79.38,2.03 80.39,2.03 81.03,2.67 v2(81.03,2.79)
  vias: v1(30.1,97.92) v1(30.1,96.65) v1(33.78,82.93) v1(33.78,80.52) v1(36.32,82.3) v1(38.1,80.52) v1(38.23,83.06) v1(42.04,83.06) v1(42.04,80.52) v1(44.58,85.22) v1(44.58,82.3) v1(46.86,97.92) v1(47.62,85.22) v1(47.62,82.3) v1(47.62,80.52) v1(48.64,97.92) v1(51.05,97.92) v1(53.47,97.92) v1(55.75,97.92) v1(57.78,90.42) v1(57.78,88.52) v1(58.42,97.92) v1(58.55,89.53) v1(59.44,88.65) v1(60.07,75.95) v1(60.07,74.17) v1(60.07,72.26) v1(60.2,35.18) v1(60.58,97.92) v1(60.58,48.26) v1(61.98,35.18) v1(62.36,48.26) v1(62.99,97.92) v1(63.12,75.95) v1(63.12,74.17) v1(63.75,35.18) v1(64.26,48.26) v1(64.64,88.52) v1(65.28,97.92) v1(65.28,89.66) v1(66.04,88.65) v1(66.17,75.95) v1(66.17,74.17) v1(66.17,72.26) v1(66.42,89.66) v1(66.55,90.68) v1(67.31,97.92) v1(69.34,97.92) v1(69.47,75.95) v1(69.47,74.17) v1(69.47,72.26) v1(69.47,70.36) v1(70.87,88.65) v1(71.75,97.92) v1(71.88,88.65) v1(72.39,75.95) v1(72.39,74.17) v1(72.39,72.26) v1(72.39,70.36) v1(72.9,88.65) v1(73.79,97.92) v1(73.79,89.03) v1(75.18,75.95) v1(75.18,74.17) v1(75.18,72.26) v1(75.18,70.36) v1(75.82,97.92) v1(77.6,88.14) v1(77.72,97.92) v1(77.85,75.95) v1(77.85,74.17) v1(77.85,72.26) v1(77.85,70.36) v1(79.63,97.92) v1(80.52,88.14) v1(80.52,86.11) v1(80.52,84.2) v1(81.53,97.92) v1(82.17,88.14) v1(82.17,86.11) v1(82.17,84.2) v1(83.44,97.92) v1(85.09,97.92) v1(86.61,97.92) v1(86.61,88.14) v1(86.61,86.11) v1(86.61,84.2) v1(88.39,90.04) v1(88.39,88.14) v1(88.39,86.11) v1(88.39,84.2) v1(90.17,91.82) v1(90.17,90.04) v1(90.17,88.14) v1(90.17,86.11) v1(90.17,84.2) v1(92.07,90.04) v1(92.07,88.14) v1(92.07,86.11) v1(92.33,91.82) v1(94.36,91.82) v1(94.36,86.36) v1(96.27,91.82) v1(96.27,86.36) v1(97.79,91.82) v1(97.79,89.92) v1(97.79,88.01) v1(97.79,85.85) v1(97.79,83.95) v1(97.79,82.3)
+12V:
  vias: v1(74.42,42.29) v1(74.42,39.37) v1(74.42,36.45) v1(74.42,28.07) v1(74.42,25.15) v1(74.42,22.22) v1(74.42,13.84) v1(74.42,10.92) v1(74.42,8) v1(74.8,59.94) v1(74.8,58.04) v1(74.8,55.75) v1(74.8,53.72) v1(74.8,51.56) v1(76.33,42.29) v1(76.33,39.37) v1(76.33,36.45) v1(76.33,28.07) v1(76.33,25.15) v1(76.33,22.22) v1(76.33,13.84) v1(76.33,10.92) v1(76.33,8) v1(77.34,59.94) v1(77.34,58.04) v1(77.34,55.75) v1(77.34,53.72) v1(77.34,51.56) v1(78.23,42.29) v1(78.23,28.07) v1(78.23,13.84) v1(79.88,59.94) v1(79.88,58.04) v1(79.88,55.75) v1(79.88,53.72) v1(79.88,51.56) v1(80.14,42.29) v1(80.14,40.77) v1(80.14,39.12) v1(80.14,37.59) v1(80.14,28.07) v1(80.14,26.54) v1(80.14,24.89) v1(80.14,23.37) v1(80.14,13.84) v1(80.14,12.32) v1(80.14,10.67) v1(80.14,9.14) v1(82.17,42.29) v1(82.17,28.07) v1(82.17,13.84) v1(82.3,59.94) v1(82.3,58.04) v1(82.3,55.75) v1(84.2,42.29) v1(84.2,40.77) v1(84.2,28.07) v1(84.2,26.54) v1(84.2,13.84) v1(84.2,12.32) v1(85.85,59.94) v1(85.85,58.04) v1(85.85,55.75) v1(86.23,42.29) v1(86.23,28.07) v1(86.23,13.84) v1(88.26,59.94) v1(88.26,58.04) v1(90.81,59.94) v1(90.81,58.04) v1(94.23,55.88) v1(97.66,59.56) v1(97.66,57.66) v1(97.66,55.75) v1(97.66,53.97) v1(97.66,52.2)
/3VLED: length 1.2
  Top w0.5: 57.03,63.75 D11.2
/5VLED: length 1.1
  Top w0.5: D10.2 R102.2
GND: length 329.2
  Top w0.2: U2.2 9.91,33.67 9.65,33.67 U2.3 9.77,33.79 v1(9.77,34.08) ; 6.48,32.78 6.94,32.78 7.21,32.51 v1(7.24,32.51) 7.24,32.48 C12.2 8.78,31.98 U2.7 U2.6 ; 10.03,30.36 v1(10.29,30.1) 10.53,30.34 U2.11 U2.10 10.03,30.36
  Top w0.254: C100.2 59.53,11.53 v1(59.56,11.56) 59.56,13.08 58.04,14.6 58.04,15.37 57.4,16 ; 15.37,7.24 SW1.2 19.43,8.66 C74.2 ; 15.37,7.24 SW1.2 ; 15.37,7.24 v1(15.37,7.24) 15.36,7.24 15.34,7.22 C23.2 ; v1(21.84,23.88) 21.75,23.97 C88.2 21.75,25.4 U8.99 ; J30.2 48.51,68.58 ; 48.51,68.58 J29.2 ; 48.51,68.58 C47.2 ; J38.2 41.36,93.94 41.36,91.47 41.64,91.19 41.66,91.19 41.66,91.17 C58.2 ; 38.45,31.24 38.61,31.24 v1(38.99,30.86) ; 38.45,31.24 38.61,31.09 38.61,30.51 38.45,30.35 ; 38.45,31.24 C78.2 C81.2 37.06,31.27 36.7,31.62 33.78,31.62 U8.20 ; C22.2 66.07,37.62 J16.3 ; R52.1 43.03,9.4 J24.4 ; C107.2 87.38,29.24 87.38,29.72 v2(87.38,29.72) 87.38,29.72 R88.2 87.22,30.38 U12.7 87.22,33.43 v1(85.6,35.05) ; J56.5 J56.6 ; v2(31.75,30.48) 35.69,30.48 36.58,29.59 v1(38.35,29.59) ; J59.4 71.6,15.96 C115.2 71.6,13.49 v2(71.63,13.46) ; J58.4 71.6,30.19 C110.2 71.6,27.66 v1(71.37,27.43) 71.09,27.15 C120.2 ; U8.27 34.83,38.48 35.66,38.48 35.79,38.61 v1(36.32,38.61) 36.44,38.72 C68.2 37.71,38.72 v1(37.72,38.73) 38.47,38.73 C66.2 ; C32.2 66.07,40.16 J19.3 ; J36.2 36.23,93.9 36.23,91.51 36.56,91.19 36.58,91.19 36.58,91.17 C56.2 ; 38.45,30.35 38.45,29.69 v1(38.35,29.59) ; 38.45,30.35 38.61,30.35 ; C86.2 11.71,38.25 v1(11.81,38.35) ; J32.2 33.74,93.94 33.74,91.47 34.02,91.19 34.04,91.19 34.04,91.17 C51.2 ; C59.2 44.2,91.17 44.2,91.19 44.18,91.19 43.81,91.55 43.81,93.86 J39.2 ; v1(32.13,10.03) 32.13,10.03 R12.1 ; v1(62.36,57.15) 62.36,57.66 62.74,58.04 C6.2 ; C50.2 31.5,91.17 31.5,91.19 31.48,91.19 31.2,91.47 31.2,93.94 J31.2 ; 35.31,25.65 34.83,25.17 C91.1 34.54,23.11 33.78,22.35 33.02,22.35 32.41,22.96 C90.1 32.29,23.11 v1(31.75,23.11) 31.75,23.24 31.37,23.62 v2(31.37,24.51) ; 35.31,25.65 v1(35.31,25.53) 35.31,25.27 37.08,23.49 37.85,23.49 38.45,24.1 38.45,24.26 38.83,24.64 v1(38.99,24.64) 38.99,24.79 39.07,24.88 39.07,25.69 ; 35.31,25.65 35.31,26.67 34.04,27.94 v2(33.53,27.94) ; 57.4,16 58.04,16.64 58.04,18.8 v1(60.32,21.08) ; 57.4,16 U10.13 ; U14.17 87.22,4.98 U14.7 87.22,1.93 R90.2 87.38,1.78 v2(87.76,1.4) 87.76,1.17 C109.2 ; 87.63,66.79 86.09,68.33 J12.3 ; v1(38.35,29.59) 38.35,29.21 38.99,28.57 40.2,28.57 41.4,27.37 41.4,26.77 40.7,26.06 C93.1 40.27,25.69 40.17,25.69 v1(40.13,25.65) 40.09,25.69 39.07,25.69 ; J28.3 66.07,45.24 C38.2 ; 48.51,73.66 J34.2 ; 48.51,73.66 C53.2 ; 48.51,73.66 J33.2 ; C85.2 11.81,39.13 v1(11.81,38.35) ; R51.1 49.91,9.4 49.65,9.66 J23.4 ; v1(11.81,38.35) 14.32,38.35 U8.74 ; C76.2 v2(31.24,28.07) 30.26,28.07 U8.10 ; v1(25.02,10.03) 25.02,10.03 R10.1 ; R26.2 15.34,3.76 C23.2 ; v1(36.32,28.19) 36.87,27.64 36.87,27.39 37.12,27.39 38.82,25.69 39.07,25.69 ; 37.47,34.13 38.48,34.13 v1(38.48,34.8) ; C26.2 86.6,70.87 J13.3 ; C39.2 48.51,63.5 ; 48.51,63.5 J22.2 ; 48.51,63.5 48.5,63.5 J20.2 ; v1(57.28,22.86) R97.2 57.91,22.35 59.18,21.08 v1(60.32,21.08) ; C2.2 v1(10.92,78.99) 2.16,78.99 1.27,79.88 U1.8 ; J9.2 25.78,4.58 C14.2 ; 1.4,84.33 v1(1.4,84.45) ; v1(1.4,84.45) 1.27,84.33 1.27,81.6 ; v1(1.4,84.45) 3.43,86.49 3.43,87.63 2.98,88.08 Q12.2 ; J14.3 87.11,73.41 C29.2 ; v2(74.68,1.27) 74.65,1.3 C121.2 72.61,1.3 J64.4 71.87,2.03 v2(69.85,2.03) 69.35,2.53 C33.2 69.33,2.53 v2(68.83,2.03) 66.81,2.03 J18.1 ; C73.2 29.97,24.03 v2(29.97,24) ; v1(8.51,51.44) 8.39,51.55 C19.2 7.25,51.05 J11.4 ; U1.13 v1(6.35,77.34) ; 82.58,39.6 82.58,39.62 ; R22.2 50.24,55.32 C18.2 ; C27.2 87.62,75.95 J15.3 ; C84.2 26.29,48.26 v1(26.8,48.77) 27.06,49.03 C83.2 ; C15.2 31.37,4.58 J10.2 ; v1(60.32,21.08) U10.8 ; D1.1 10.82,45.87 v1(10.79,45.85) ; R69.2 v1(11.94,15.24) ; C23.2 v1(16,5.46) ; C34.2 66.07,42.7 J21.3 ; v1(85.6,49.28) 87.22,47.65 U11.7 87.22,44.6 R87.2 87.35,44.42 87.35,43.97 v2(87.38,43.94) 87.35,43.91 C106.2 ; v1(66.17,62.36) 66.16,62.35 R4.2 ; J37.2 38.77,93.9 38.77,91.51 39.1,91.19 39.12,91.19 39.12,91.17 C57.2 ; 43.05,34.13 v1(43.05,34.8) ; R75.2 C87.2 4.5,45.18 J56.6 ; v1(85.6,20.83) 87.22,19.2 U13.7 87.22,16.16 R89.2 87.38,15.5 v2(87.38,15.49) 87.38,15.49 87.38,15.02 C108.2 ; J57.4 71.6,44.41 C101.2 71.98,42.04 v2(72.01,42.04) ; R71.2 v1(27.56,53.85) ; v1(7.49,43.18) U9.2
  Top w0.45: C9.2 v1(25.15,92.2)
  Top w0.5: 67.94,24.7 v1(67.94,26.03) ; Q1.2 10.09,89.47 v1(10.16,89.53) ; Q10.2 20.76,89.47 v1(20.83,89.53) ; v1(27.94,89.53) 27.87,89.47 Q11.2 ; v1(58.67,35.94) 58.68,35.94 R30.2 ; v1(58.67,41.05) 58.68,41.05 R43.2 ; J56.6 J56.6 J56.6 J56.6 ; Q21.2 57.47,26.23 v1(57.53,26.29) ; v1(37.08,87.25) 36.32,86.49 C40.2 ; v1(13.72,89.53) 13.65,89.47 Q9.2 ; D2.1 67.59,16.66 v1(67.56,16.64) 67.59,16.61 D3.1 67.59,14.88 v1(67.56,14.86) 67.59,14.83 D4.1 67.59,13.11 v1(67.56,13.08) 67.59,13.06 D5.1 ; Q20.2 39.56,5.15 v1(39.62,5.08) ; C7.2 v1(14.99,92.2) ; 45.85,7.12 45.85,7.13 J24.4 ; 45.85,7.12 v1(45.85,4.95) C35.2 ; 45.85,7.12 J23.4 ; Q3.2 24.32,89.47 v1(24.38,89.53) ; v1(17.27,89.5) 17.21,89.43 Q2.2 ; Q12.2 2.98,89.47 v1(3.05,89.53) ; R37.2 58.68,38.51 v1(58.67,38.51) ; v1(52.07,7.11) 52.14,7.05 Q19.2 ; v1(57.53,29.84) 57.47,29.78 Q22.2 ; Q18.2 41.34,77.28 v1(41.4,77.34) ; C10.2 v1(8.13,92.2) ; Q4.2 6.54,89.47 v1(6.6,89.53) ; Q15.2 33.21,77.28 v1(33.27,77.34) ; v1(58.67,43.59) 58.68,43.59 R45.2 ; U15.8 v1(60.32,30.99) ; C52.2 v1(36.32,79.25) ; C8.2 v1(20.07,92.2)
  Bottom w0.254: v2(31.75,30.48) 33.53,28.7 v2(33.53,27.94) 31.37,27.94 v2(31.24,28.07) 31.24,24.64 v2(31.37,24.51)
  vias: v1(29.84,90.55) v1(29.84,89.03) v1(31.5,89.03) v1(33.27,90.68) v1(33.27,89.03) v1(34.54,87.25) v1(35.81,90.68) v1(35.81,89.03) v1(38.35,90.68) v1(38.35,89.03) v1(40.89,90.68) v1(40.89,89.03) v1(43.43,90.68) v1(43.43,89.03) v1(43.43,87.12) v1(45.97,90.68) v1(45.97,89.03) v1(45.97,87.12) v1(48.26,90.68) v1(48.26,89.03) v1(48.26,87.12) v1(50.8,90.68) v1(50.8,89.03) v1(50.8,87.12) v1(50.8,85.34) v1(50.8,81.79) v1(50.8,80.01) v1(50.8,78.23) v1(52.96,87.12) v1(52.96,85.34) v1(52.96,81.79) v1(52.96,80.01) v1(52.96,78.23) v1(55.12,81.79) v1(55.12,80.01) v1(55.12,78.23) v1(57.53,81.79) v1(57.53,80.01) v1(57.53,78.23) v1(59.82,81.79) v1(59.82,80.01) v1(59.82,78.23) v1(60.07,68.33) v1(60.07,66.55) v1(60.07,64.52) v1(60.58,62.36) v1(62.36,81.79) v1(62.36,80.01) v1(62.36,78.23) v1(62.36,59.69) v1(62.36,54.61) v1(63.25,66.29) v1(63.25,64.39) v1(63.25,62.36) v1(64.77,81.79) v1(64.77,80.01) v1(64.77,78.23) v1(66.17,68.33) v1(66.17,66.29) v1(66.17,64.39) v1(67.06,49.02) v1(67.44,81.79) v1(67.44,80.01) v1(67.44,78.23) v1(67.82,48.26) v1(69.47,68.33) v1(69.47,66.29) v1(69.47,64.39) v1(69.47,62.36) v1(70.1,81.79) v1(70.1,80.01) v1(70.1,78.23) v1(72.39,68.33) v1(72.39,66.29) v1(72.39,64.39) v1(72.39,62.36) v1(73.03,81.79) v1(73.03,80.01) v1(73.03,78.23) v1(74.55,48.64) v1(74.55,46.35) v1(74.55,44.07) v1(74.55,34.42) v1(74.55,32.13) v1(74.55,29.84) v1(74.55,20.19) v1(74.55,17.91) v1(74.55,15.62) v1(74.55,5.97) v1(74.55,3.68) v1(75.18,68.33) v1(75.18,66.29) v1(75.18,64.39) v1(75.18,62.36) v1(75.95,81.79) v1(75.95,80.01) v1(75.95,78.23) v1(76.45,5.97) v1(76.45,3.68) v1(76.45,1.4) v1(77.85,68.33) v1(77.85,66.29) v1(77.85,64.39) v1(77.85,62.36) v1(78.74,81.79) v1(78.74,80.01) v1(78.74,78.23) v1(80.14,48.39) v1(80.14,46.61) v1(80.14,34.16) v1(80.14,32.38) v1(80.14,19.94) v1(80.14,18.16) v1(80.14,5.72) v1(80.14,3.94) v1(81.66,81.79) v1(81.66,80.01) v1(81.66,78.23) v1(82.04,50.42) v1(82.04,48.39) v1(82.04,46.61) v1(82.04,36.19) v1(82.04,34.16) v1(82.04,32.38) v1(82.04,21.97) v1(82.04,19.94) v1(82.04,18.16) v1(82.04,7.75) v1(82.04,5.72) v1(82.04,3.94) v1(82.3,66.04) v1(82.3,64.26) v1(82.3,62.48) v1(83.19,21.97) v1(83.19,20.83) v1(83.19,19.69) v1(83.19,7.75) v1(83.19,6.6) v1(83.19,5.46) v1(83.31,50.42) v1(83.31,49.28) v1(83.31,48.13) v1(83.31,36.19) v1(83.31,35.05) v1(83.31,33.91) v1(84.33,21.97) v1(84.33,20.83) v1(84.33,19.69) v1(84.45,50.42) v1(84.45,49.28) v1(84.45,48.13) v1(84.45,36.19) v1(84.45,35.05) v1(84.45,33.91) v1(84.45,7.75) v1(84.45,6.6) v1(84.45,5.46) v1(85.6,50.42) v1(85.6,48.13) v1(85.6,36.19) v1(85.6,33.91) v1(85.6,21.97) v1(85.6,19.69) v1(85.72,7.75) v1(85.72,6.6) v1(85.72,5.46) v1(85.85,66.04) v1(85.85,64.26) v1(85.85,62.48) v1(86.11,81.91) v1(86.11,80.01) v1(86.11,78.23) v1(86.87,50.42) v1(86.87,49.28) v1(86.87,48.13) v1(86.87,36.19) v1(86.87,35.05) v1(86.87,33.91) v1(86.87,21.97) v1(86.87,20.83) v1(86.87,19.69) v1(87,7.75) v1(87,6.6) v1(87,5.46) v1(88.01,50.42) v1(88.01,49.28) v1(88.01,48.13) v1(88.14,36.19) v1(88.14,35.05) v1(88.14,33.91) v1(88.14,21.97) v1(88.14,20.83) v1(88.14,19.69) v1(88.14,7.75) v1(88.14,6.6) v1(88.14,5.46) v1(88.26,64.26) v1(88.26,62.48) v1(88.39,81.91) v1(88.39,80.01) v1(88.65,38.35) v1(88.65,37.21) v1(89.28,52.96) v1(89.28,51.69) v1(89.28,50.42) v1(89.28,48.13) v1(89.28,24.51) v1(89.28,23.24) v1(89.28,21.97) v1(89.28,19.69) v1(89.28,10.29) v1(89.28,9.02) v1(89.28,7.75) v1(89.28,5.46) v1(90.81,81.91) v1(90.81,80.01) v1(90.81,77.98) v1(90.81,75.82) v1(90.81,74.04) v1(90.81,72.14) v1(90.81,70.36) v1(90.81,68.45) v1(90.81,66.67) v1(90.81,64.26) v1(90.81,62.48) v1(97.79,79.88) v1(97.79,78.1) v1(97.79,76.07) v1(97.79,74.29) v1(97.79,72.14) v1(97.79,70.36) v1(97.79,68.07) v1(97.79,66.29) v1(97.79,64.26) v1(97.79,62.48) v2(54.1,87.5) v2(54.48,86.36) v2(55.37,86.36) v2(56.26,86.36) v2(57.15,86.61) v2(58.17,85.09) v2(58.17,84.2) v2(58.17,83.31) v2(59.18,85.09) v2(59.18,84.2) v2(59.18,83.31) v2(59.56,86.36) v2(60.2,85.6) v2(61.09,86.36) v2(61.98,86.36) v2(62.87,86.36) v2(63.75,86.61) v2(64.77,85.09) v2(64.77,84.2) v2(64.77,83.31) v2(65.79,85.09) v2(65.79,84.2) v2(65.79,83.31) v2(66.17,86.36) v2(66.8,85.6) v2(67.31,87.38) v2(67.69,86.36) v2(68.58,86.36) v2(69.47,86.36) v2(70.36,86.61) v2(71.37,85.09) v2(71.37,84.2) v2(71.37,83.31) v2(72.39,85.09) v2(72.39,84.2) v2(72.39,83.31) v2(72.77,86.36) v2(73.41,85.6) v2(73.91,87.5) v2(74.29,86.36) v2(75.18,86.36) v2(76.07,86.36) v2(76.96,86.61) v2(77.98,85.09) v2(77.98,84.2) v2(77.98,83.31) v2(78.99,85.09) v2(78.99,84.2) v2(78.99,83.31) v2(79.38,86.36)
